# KiCad board ciaa_acc.kicad_pcb (continued)
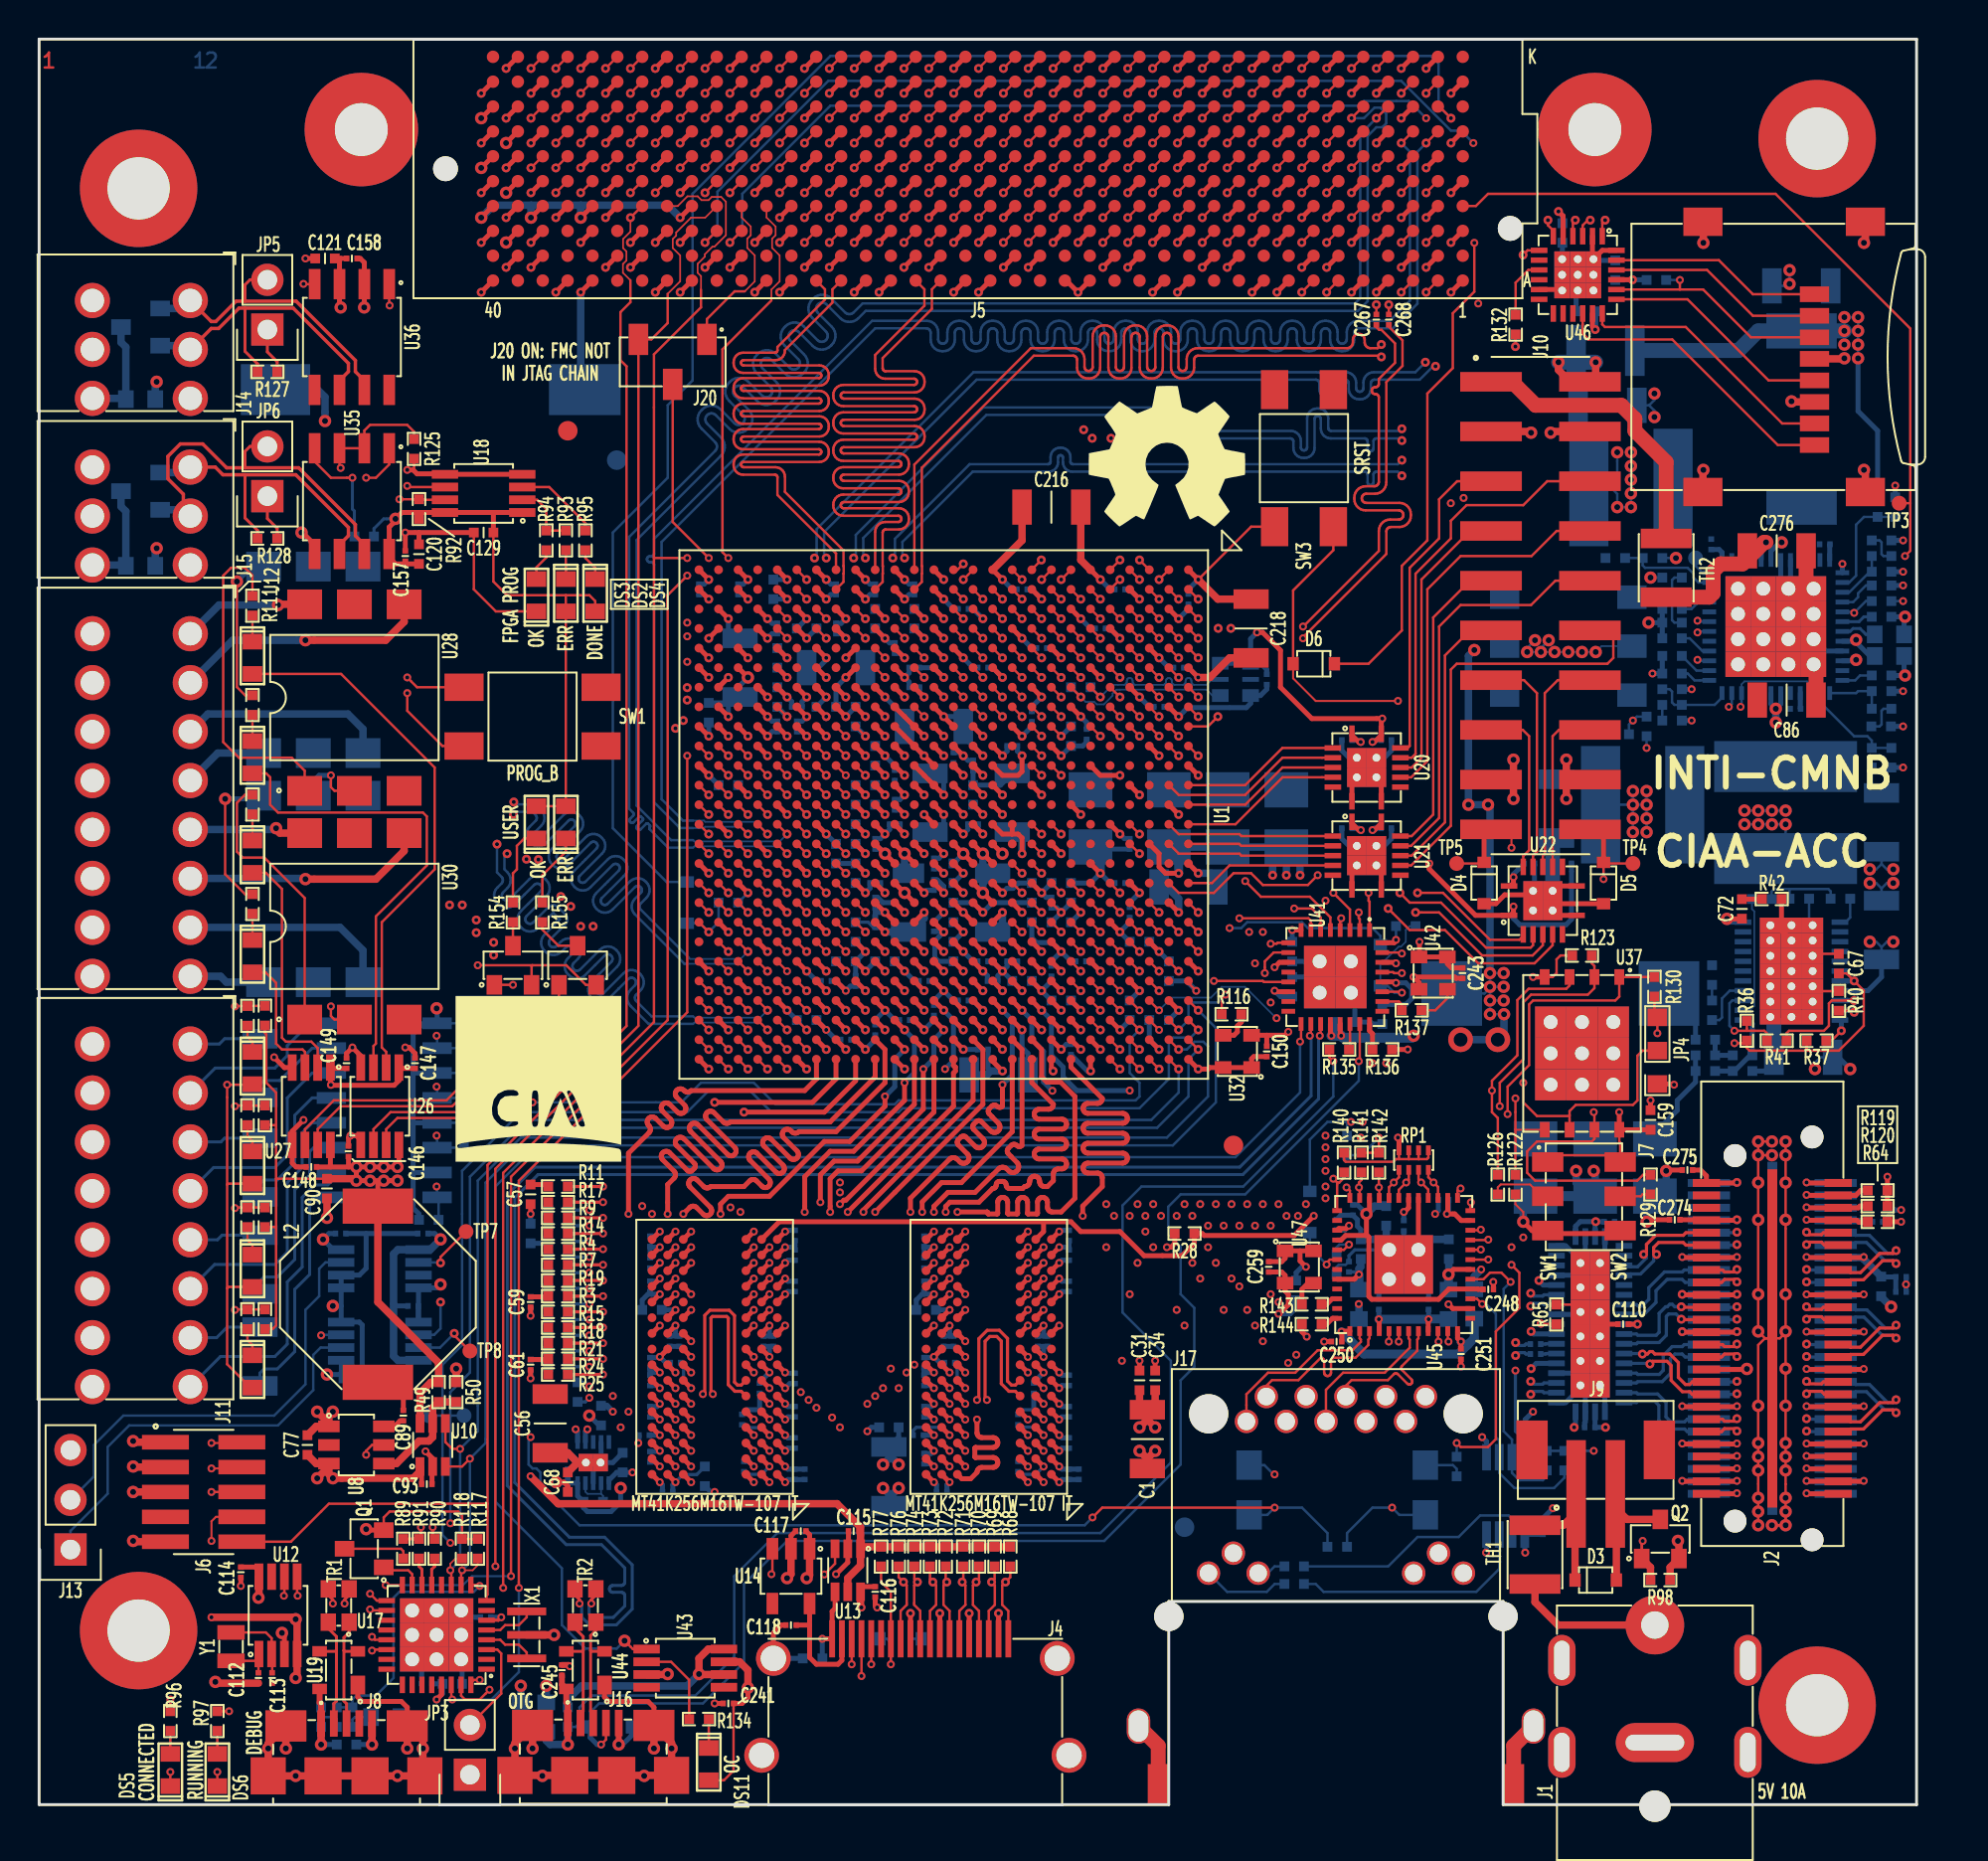
[diagram p0: board, top side]
## Copper pours and planes (outline as drawn; the poured copper is in the pictures) (continued)
VTT_REF on L7.GND: 39.9,43.27 39.9,31.07 28.3,31.07 28.3,16.47 31.5,16.47 31.5,21.47 43.1,21.47 43.1,24.07 50.7,24.07 50.7,21.47 53,21.47 53,24.07 63.6,24.07 63.6,28.27 65,28.27 65,34.17 61.9,37.27 53,37.27 53,43.27
Net-(C72-Pad1) on BOT_L12.Sig: 87.5,45.57 81.5,45.57 81.5,39.77 85,39.77 85,42.37 87.5,42.37
Net-(C89-Pad2) on TOP_L1.Sig: 14.3,18.67 15.5,18.67 15.5,22.47 19.1,22.47 19.1,20.67 18.1,20.67 16.9,19.47 16.9,18.07 14.3,18.07
Net-(C94-Pad2) on BOT_L12.Sig: 87.7,63.17 87.7,67.57 84.9,67.57 84.4,68.07 82.9,68.07 82.9,64.37 85.9,64.37 86.2,64.07 86.2,63.17
Net-(C95-Pad2) on BOT_L12.Sig: 89.2,57.17 89.2,54.97 88.5,54.27 88.5,52.67 92.7,52.67 89.7,55.67 89.7,57.17
Net-(C105-Pad2) on BOT_L12.Sig: 89.7,63.17 89.7,64.67 88.9,65.47 88.9,66.67 91.8,66.67 91.8,65.27 91.2,64.67 91.2,63.17
Net-(C106-Pad2) on BOT_L12.Sig: 88.2,57.17 88.2,54.57 85.5,54.57 85,54.07 85,50.17 83.1,50.17 83.1,54.97 84.6,54.97 85.4,55.77 87.7,55.77 87.7,57.17

## Text on the board
BOT_L12.Sig: 1 | 2
B.SilkS: VCCO_HP | +1.8V | +1.5V | V1.1F | 29/03/2019 | CIAA-ACC - DISEÑADO EN ARGENTINA
Dwgs.User: 20 MILS | TOP | L2 | L3 | L4 | L5 | L6 | L7 | L8 | L9 | L10 | L11 | BOT | CORE 4.92 mil (2116 56% 4.31) | PP 4.4 mil (2116 49% 4.49) | PP 6.14 mil (1078*2 65% 4.09) | CORE 8 mil (7628 55%) | 1oz | 1oz+plating | Terminación superficial: ENIG / Espesor final aprox.: 1,98 mm | Note: Board dimensions comply with the PCIe/104 specification (V3.0). | Stack-up
TOP_L1.Sig: 1
F.SilkS: OTG | PROG_B | J20 ON: FMC NOT / IN JTAG CHAIN | 5V 10A | CONNECTED | RUNNING | DEBUG | FPGA PROG | USER | OK | ERR | DONE | OC | SRST | SW1 | SW2 | CIAA-ACC | INTI-CMNB
L2.GND: 2
L3.Sig: 3
L4.GND: 4
L5.Sig: 5
L6.GND: 6
L7.GND: 7
L8.Sig: 8
L9.GND: 9
L10.Sig: 1 | 0
L11.GND: 1
